# KiCad board TEST_PANEL.kicad_pcb (continued)
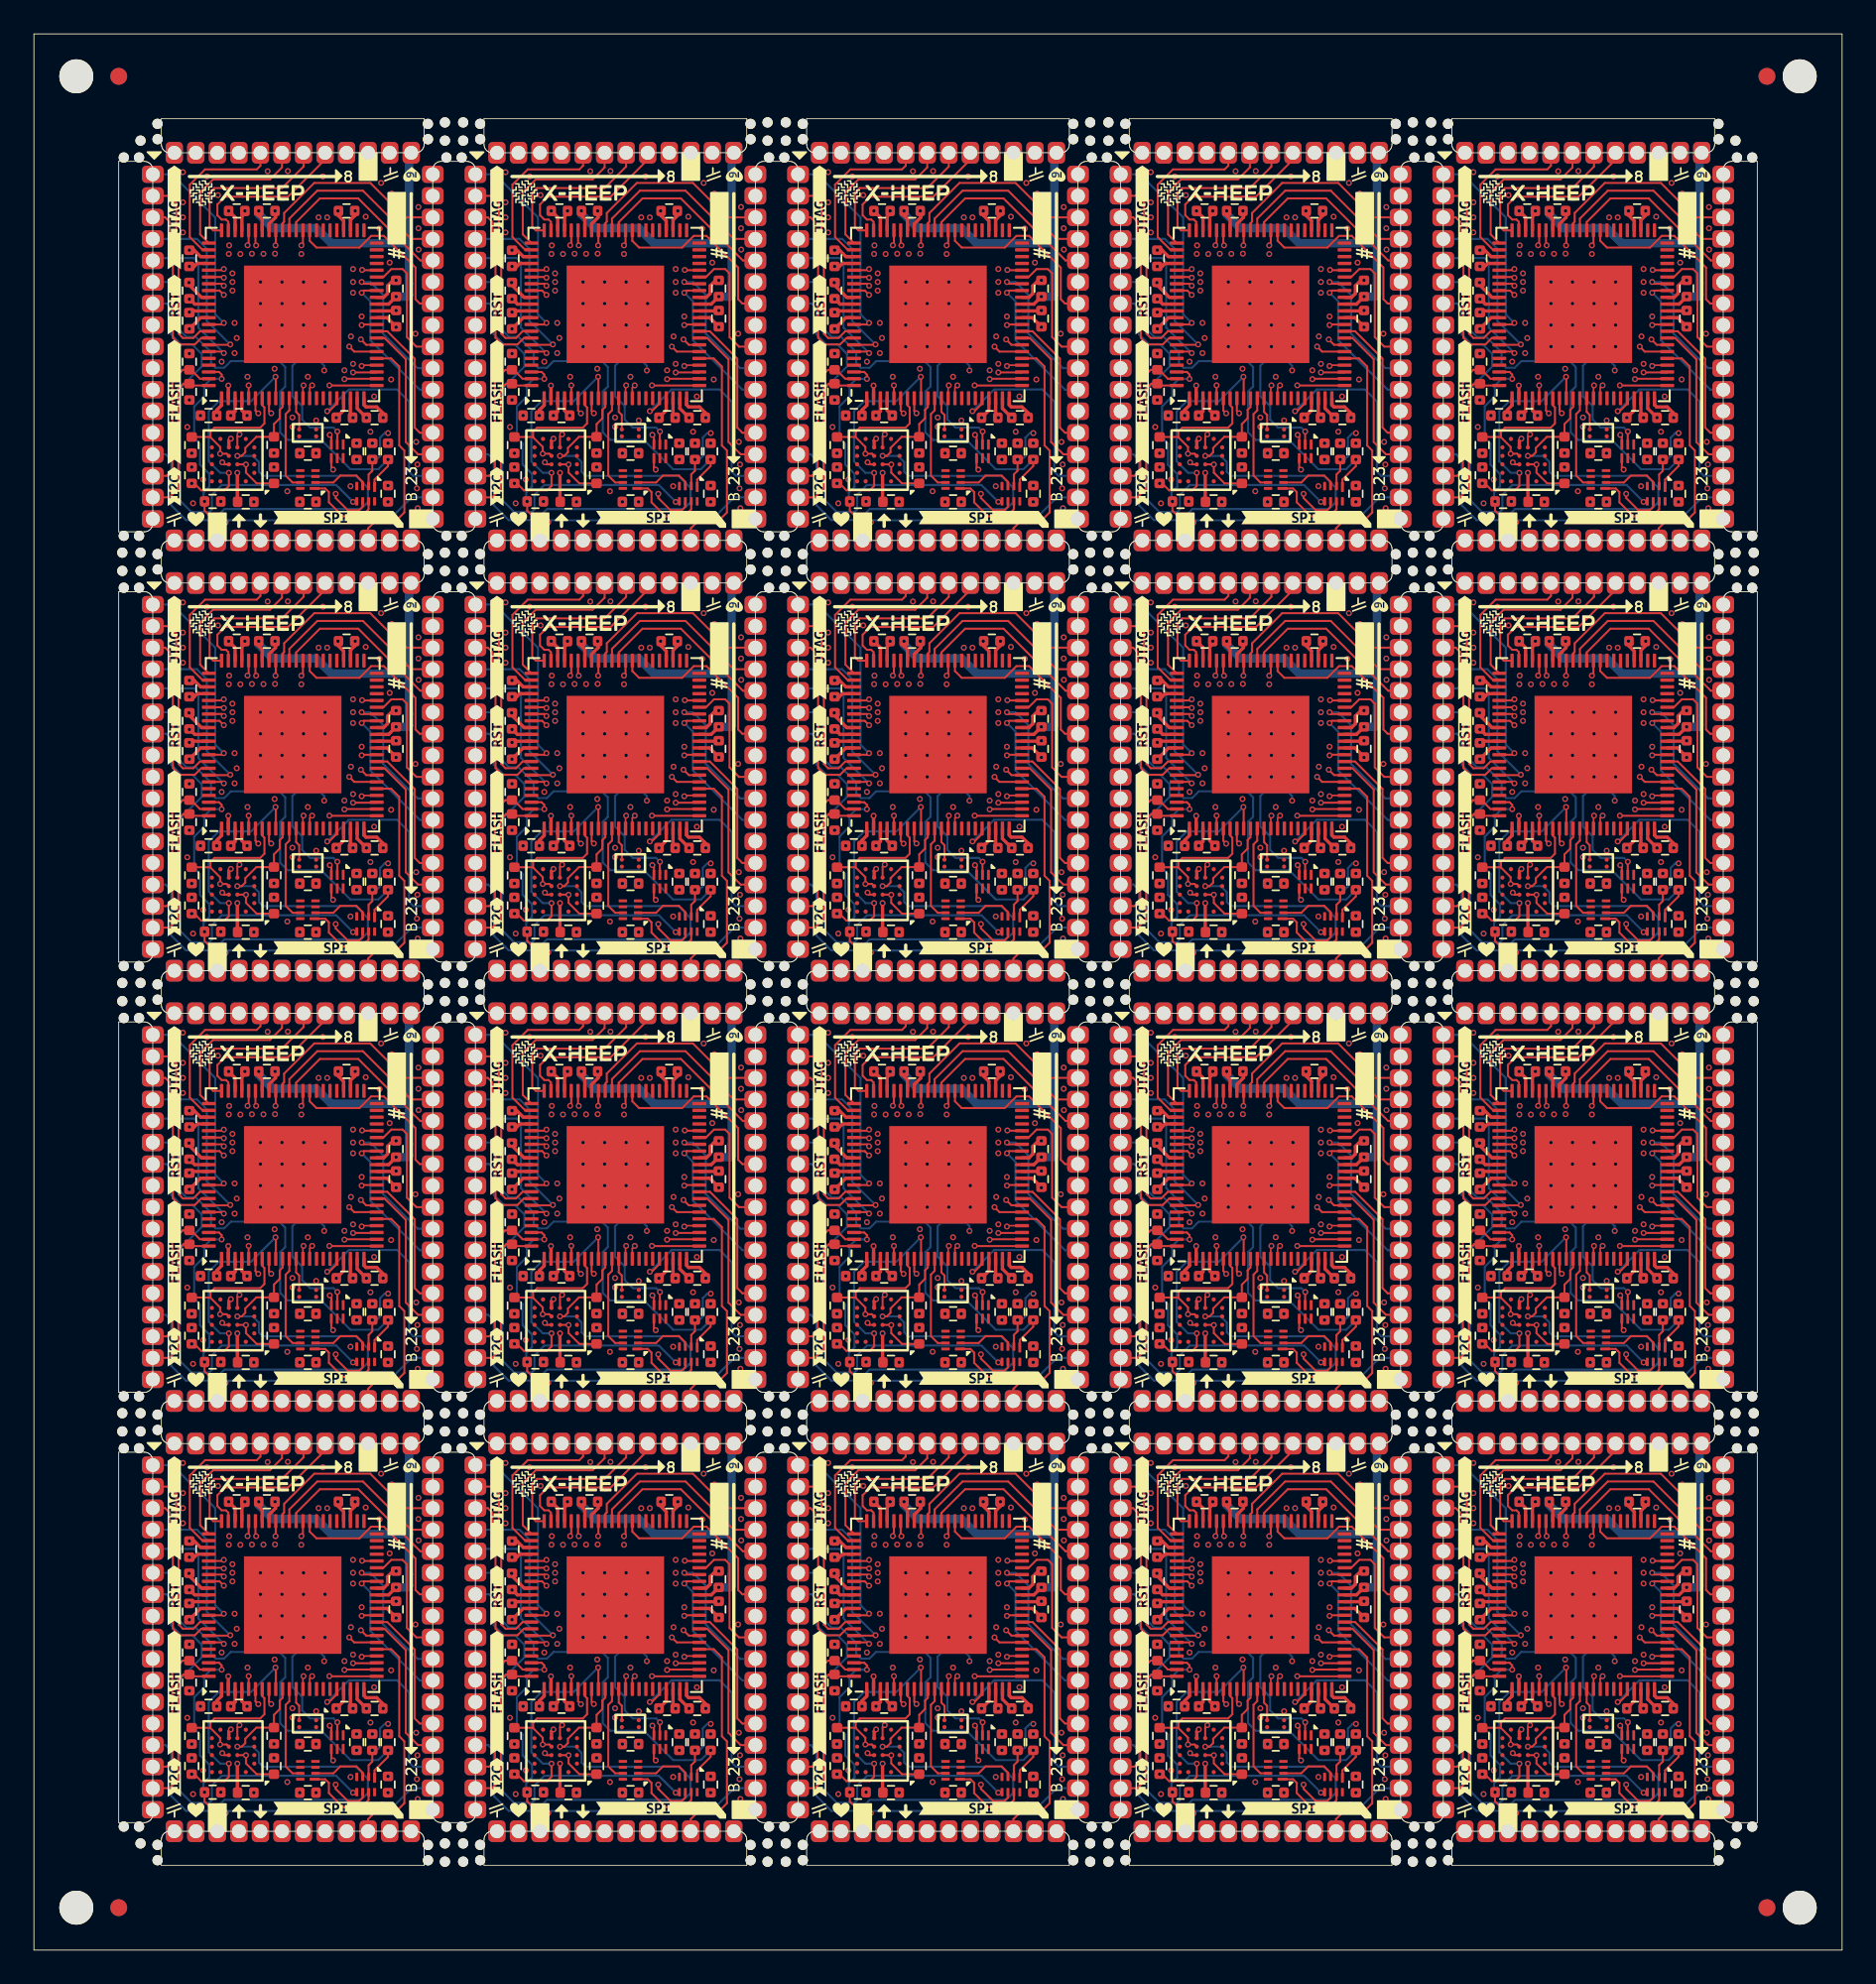
[diagram p0: board, top side]
## Routing (per net, layer and track width the routed paths; a pad name or vN(x,y) marks a point on that pad's centre or on a via; arc(x,y) is an arc through that point) (continued)
Board_15-GPIO_0: length 230.4
  Top w0.12: v1(11.2,46.86) 10.94,47.11 U26.74 ; v1(68.28,21.49) 68.02,21.74 U16.74 ; v1(30.22,21.49) 29.97,21.74 U6.74 ; v1(87.3,21.49) 87.05,21.74 U21.74 ; 10.31,72.48 10.94,72.48 v1(11.2,72.23) ; v1(30.22,97.6) 29.97,97.86 U81.74 ; v1(49.25,46.86) 48.99,47.11 U36.74 ; 48.37,72.48 48.99,72.48 v1(49.25,72.23) ; U31.74 29.97,47.11 v1(30.22,46.86) ; U41.74 68.02,47.11 v1(68.28,46.86) ; U96.74 87.05,97.86 v1(87.3,97.6) ; v1(49.25,21.49) 48.99,21.74 U11.74 ; v1(30.22,72.23) 29.97,72.48 29.34,72.48 ; U76.74 10.94,97.86 v1(11.2,97.6) ; 67.39,72.48 68.02,72.48 v1(68.28,72.23) ; v1(49.25,97.6) 48.99,97.86 U86.74 ; U46.74 87.05,47.11 v1(87.3,46.86) ; 86.42,72.48 87.05,72.48 v1(87.3,72.23) ; U1.74 10.94,21.74 v1(11.2,21.49) ; v1(68.28,97.6) 68.02,97.86 U91.74
  In3.Cu w0.12: v1(30.22,46.86) 29.76,46.86 28.63,47.99 28.1,47.99 27.76,48.33 27.76,49.79 28.19,50.22 28.19,53.04 27.3,53.92 J7.58 ; J13.58 46.33,79.3 47.22,78.41 47.22,75.59 46.79,75.16 46.79,73.7 47.13,73.36 47.66,73.36 48.79,72.23 v1(49.25,72.23) ; J6.58 8.28,53.92 9.16,53.04 9.16,50.22 8.73,49.79 8.73,48.33 9.07,47.99 9.6,47.99 10.74,46.86 v1(11.2,46.86) ; v1(30.22,97.6) 29.76,97.6 28.63,98.73 28.1,98.73 27.76,99.07 27.76,100.53 28.19,100.96 28.19,103.78 27.3,104.67 27.3,105.98 ; 65.36,105.98 65.36,104.67 66.24,103.78 66.24,100.96 65.81,100.53 65.81,99.07 66.15,98.73 66.68,98.73 67.81,97.6 v1(68.28,97.6) ; J11.58 8.28,79.3 9.16,78.41 9.16,75.59 8.73,75.16 8.73,73.7 9.07,73.36 9.6,73.36 10.74,72.23 v1(11.2,72.23) ; J3.58 46.33,28.55 47.22,27.67 47.22,24.85 46.79,24.42 46.79,22.96 47.13,22.62 47.66,22.62 48.79,21.49 v1(49.25,21.49) ; v1(68.28,21.49) 67.81,21.49 66.68,22.62 66.15,22.62 65.81,22.96 65.81,24.42 66.24,24.85 66.24,27.67 65.36,28.55 J4.58 ; 84.38,29.87 84.38,28.55 85.27,27.67 85.27,24.85 84.84,24.42 84.84,22.96 85.18,22.62 85.71,22.62 86.84,21.49 v1(87.3,21.49) ; v1(68.28,72.23) 67.81,72.23 66.68,73.36 66.15,73.36 65.81,73.7 65.81,75.16 66.24,75.59 66.24,78.41 65.36,79.3 J14.58 ; 8.28,105.98 8.28,104.67 9.16,103.78 9.16,100.96 8.73,100.53 8.73,99.07 9.07,98.73 9.6,98.73 10.74,97.6 v1(11.2,97.6) ; v1(87.3,72.23) 86.84,72.23 85.71,73.36 85.18,73.36 84.84,73.7 84.84,75.16 85.27,75.59 85.27,78.41 84.38,79.3 84.38,80.61 ; J1.58 8.28,28.55 9.16,27.67 9.16,24.85 8.73,24.42 8.73,22.96 9.07,22.62 9.6,22.62 10.74,21.49 v1(11.2,21.49) ; v1(87.3,97.6) 86.84,97.6 85.71,98.73 85.18,98.73 84.84,99.07 84.84,100.53 85.27,100.96 85.27,103.78 84.38,104.67 84.38,105.98 ; v1(87.3,46.86) 86.84,46.86 85.71,47.99 85.18,47.99 84.84,48.33 84.84,49.79 85.27,50.22 85.27,53.04 84.38,53.92 84.38,55.24 ; J12.58 27.3,79.3 28.19,78.41 28.19,75.59 27.76,75.16 27.76,73.7 28.1,73.36 28.63,73.36 29.76,72.23 v1(30.22,72.23) ; v1(49.25,46.86) 48.79,46.86 47.66,47.99 47.13,47.99 46.79,48.33 46.79,49.79 47.22,50.22 47.22,53.04 46.33,53.92 J8.58 ; J2.58 27.3,28.55 28.19,27.67 28.19,24.85 27.76,24.42 27.76,22.96 28.1,22.62 28.63,22.62 29.76,21.49 v1(30.22,21.49) ; J9.58 65.36,53.92 66.24,53.04 66.24,50.22 65.81,49.79 65.81,48.33 66.15,47.99 66.68,47.99 67.81,46.86 v1(68.28,46.86) ; 46.33,105.98 46.33,104.67 47.22,103.78 47.22,100.96 46.79,100.53 46.79,99.07 47.13,98.73 47.66,98.73 48.79,97.6 v1(49.25,97.6)
Board_15-GPIO_1: length 193.7
  Top w0.12: U6.73 30.11,22.14 v1(30.22,22.03) ; v1(68.28,98.14) 68.16,98.26 U91.73 ; U31.73 30.11,47.51 v1(30.22,47.4) ; U71.73 87.19,72.88 v1(87.3,72.77) ; v1(11.2,72.77) 11.08,72.88 U51.73 ; v1(68.28,22.03) 68.16,22.14 U16.73 ; U46.73 87.19,47.51 v1(87.3,47.4) ; v1(49.25,98.14) 49.13,98.26 U86.73 ; v1(11.2,22.03) 11.08,22.14 U1.73 ; v1(30.22,72.77) 30.11,72.88 U56.73 ; U36.73 49.13,47.51 v1(49.25,47.4) ; v1(11.2,47.4) 11.08,47.51 U26.73 ; v1(49.25,22.03) 49.13,22.14 U11.73 ; v1(87.3,98.14) 87.19,98.26 U96.73 ; U81.73 30.11,98.26 v1(30.22,98.14) ; U76.73 11.08,98.26 v1(11.2,98.14) ; U66.73 68.16,72.88 v1(68.28,72.77) ; v1(87.3,22.03) 87.19,22.14 U21.73 ; U41.73 68.16,47.51 v1(68.28,47.4) ; U61.73 49.13,72.88 v1(49.25,72.77)
  In3.Cu w0.12: J2.57 28.77,29.67 28.77,23.1 29.84,22.03 v1(30.22,22.03) ; J3.57 47.8,29.67 47.8,23.1 48.87,22.03 v1(49.25,22.03) ; J5.57 85.85,29.67 85.85,23.1 86.92,22.03 v1(87.3,22.03) ; v1(87.3,98.14) 86.92,98.14 85.85,99.21 85.85,105.78 85.65,105.98 ; v1(11.2,22.03) 10.81,22.03 9.74,23.1 9.74,29.67 J1.57 ; J7.57 28.77,55.04 28.77,48.47 29.84,47.4 v1(30.22,47.4) ; 28.57,105.98 28.77,105.78 28.77,99.21 29.84,98.14 v1(30.22,98.14) ; v1(30.22,72.77) 29.84,72.77 28.77,73.84 28.77,80.41 J12.57 ; J10.57 85.85,55.04 85.85,48.47 86.92,47.4 v1(87.3,47.4) ; v1(11.2,72.77) 10.81,72.77 9.74,73.84 9.74,80.41 J11.57 ; v1(49.25,72.77) 48.87,72.77 47.8,73.84 47.8,80.41 J13.57 ; v1(68.28,98.14) 67.89,98.14 66.82,99.21 66.82,105.78 66.63,105.98 ; J4.57 66.82,29.67 66.82,23.1 67.89,22.03 v1(68.28,22.03) ; v1(49.25,47.4) 48.87,47.4 47.8,48.47 47.8,55.04 J8.57 ; v1(49.25,98.14) 48.87,98.14 47.8,99.21 47.8,105.78 47.6,105.98 ; v1(87.3,72.77) 86.92,72.77 85.85,73.84 85.85,80.41 J15.57 ; 9.55,105.98 9.74,105.78 9.74,99.21 10.81,98.14 v1(11.2,98.14) ; J9.57 66.82,55.04 66.82,48.47 67.89,47.4 v1(68.28,47.4) ; v1(68.28,72.77) 67.89,72.77 66.82,73.84 66.82,80.41 J14.57 ; v1(11.2,47.4) 10.81,47.4 9.74,48.47 9.74,55.04 J6.57
Board_15-GPIO_2: length 182
  Top w0.12: U1.72 11.16,22.54 v1(11.2,22.5) ; v1(68.28,47.87) 68.24,47.91 U41.72 ; v1(87.3,47.87) 87.26,47.91 U46.72 ; v1(30.22,22.5) 30.18,22.54 U6.72 ; U66.72 68.24,73.28 v1(68.28,73.24) ; v1(87.3,22.5) 87.26,22.54 U21.72 ; v1(11.2,47.87) 11.16,47.91 U26.72 ; U76.72 11.16,98.66 v1(11.2,98.61) ; U51.72 11.16,73.28 v1(11.2,73.24) ; U11.72 49.21,22.54 v1(49.25,22.5) ; v1(30.22,73.24) 30.18,73.28 U56.72 ; v1(49.25,98.61) 49.21,98.66 U86.72 ; U31.72 30.18,47.91 v1(30.22,47.87) ; v1(49.25,73.24) 49.21,73.28 U61.72 ; v1(87.3,73.24) 87.26,73.28 U71.72 ; v1(68.28,98.61) 68.24,98.66 U91.72 ; v1(68.28,22.5) 68.24,22.54 U16.72 ; U81.72 30.18,98.66 v1(30.22,98.61) ; v1(87.3,98.61) 87.26,98.66 U96.72 ; v1(49.25,47.87) 49.21,47.91 U36.72
  In3.Cu w0.12: 10.82,55.24 10.82,53.59 10.18,52.95 10.18,48.63 10.94,47.87 v1(11.2,47.87) ; v1(49.25,98.61) 49,98.61 48.23,99.38 48.23,103.69 48.87,104.33 48.87,105.98 ; 29.84,105.98 29.84,104.33 29.21,103.69 29.21,99.38 29.97,98.61 v1(30.22,98.61) ; J10.56 86.92,53.59 86.29,52.95 86.29,48.63 87.05,47.87 v1(87.3,47.87) ; J12.56 29.84,78.96 29.21,78.32 29.21,74.01 29.97,73.24 v1(30.22,73.24) ; v1(30.22,47.87) 29.97,47.87 29.21,48.63 29.21,52.95 29.84,53.59 J7.56 ; v1(68.28,73.24) 68.02,73.24 67.26,74.01 67.26,78.32 67.9,78.96 67.9,80.61 ; 67.9,55.24 67.9,53.59 67.26,52.95 67.26,48.63 68.02,47.87 v1(68.28,47.87) ; v1(87.3,73.24) 87.05,73.24 86.29,74.01 86.29,78.32 86.92,78.96 J15.56 ; J2.56 29.84,28.22 29.21,27.58 29.21,23.26 29.97,22.5 v1(30.22,22.5) ; v1(49.25,47.87) 49,47.87 48.23,48.63 48.23,52.95 48.87,53.59 J8.56 ; v1(11.2,98.61) 10.94,98.61 10.18,99.38 10.18,103.69 10.82,104.33 10.82,105.98 ; 67.9,29.87 67.9,28.22 67.26,27.58 67.26,23.26 68.02,22.5 v1(68.28,22.5) ; v1(49.25,73.24) 49,73.24 48.23,74.01 48.23,78.32 48.87,78.96 J13.56 ; 67.9,105.98 67.9,104.33 67.26,103.69 67.26,99.38 68.02,98.61 v1(68.28,98.61) ; 10.82,80.61 10.82,78.96 10.18,78.32 10.18,74.01 10.94,73.24 v1(11.2,73.24) ; 10.82,29.87 10.82,28.22 10.18,27.58 10.18,23.26 10.94,22.5 v1(11.2,22.5) ; 86.92,105.98 86.92,104.33 86.29,103.69 86.29,99.38 87.05,98.61 v1(87.3,98.61) ; v1(87.3,22.5) 87.05,22.5 86.29,23.26 86.29,27.58 86.92,28.22 J5.56 ; v1(49.25,22.5) 49,22.5 48.23,23.26 48.23,27.58 48.87,28.22 J3.56
Board_15-GPIO_3: length 169.1
  Top w0.12: U66.71 68.21,73.68 v1(68.28,73.75) ; U76.71 11.13,99.06 v1(11.2,99.12) ; U26.71 11.13,48.31 v1(11.2,48.38) ; v1(87.3,23.01) 87.24,22.94 U21.71 ; U56.71 30.16,73.68 v1(30.22,73.75) ; U61.71 49.18,73.68 v1(49.25,73.75) ; v1(87.3,99.12) 87.24,99.06 U96.71 ; v1(30.22,48.38) 30.16,48.31 U31.71 ; U16.71 68.21,22.94 v1(68.28,23.01) ; v1(30.22,99.12) 30.16,99.06 U81.71 ; U1.71 11.13,22.94 v1(11.2,23.01) ; v1(49.25,99.12) 49.18,99.06 U86.71 ; v1(68.28,99.12) 68.21,99.06 U91.71 ; U36.71 49.18,48.31 v1(49.25,48.38) ; U41.71 68.21,48.31 v1(68.28,48.38) ; U11.71 49.18,22.94 v1(49.25,23.01) ; v1(30.22,23.01) 30.16,22.94 U6.71 ; U71.71 87.24,73.68 v1(87.3,73.75) ; U51.71 11.13,73.68 v1(11.2,73.75) ; U46.71 87.24,48.31 v1(87.3,48.38)
  In3.Cu w0.12: 31.11,105.98 31.11,104.2 29.84,102.93 29.84,99.5 v1(30.22,99.12) ; v1(49.25,73.75) 48.87,74.13 48.87,77.56 50.14,78.83 J13.55 ; J11.55 12.09,78.83 10.82,77.56 10.82,74.13 v1(11.2,73.75) ; J15.55 88.19,78.83 86.92,77.56 86.92,74.13 v1(87.3,73.75) ; J8.55 50.14,53.46 48.87,52.19 48.87,48.76 v1(49.25,48.38) ; J7.55 31.11,53.46 29.84,52.19 29.84,48.76 v1(30.22,48.38) ; J12.55 31.11,78.83 29.84,77.56 29.84,74.13 v1(30.22,73.75) ; 50.14,105.98 50.14,104.2 48.87,102.93 48.87,99.5 v1(49.25,99.12) ; v1(68.28,73.75) 67.9,74.13 67.9,77.56 69.17,78.83 J14.55 ; v1(11.2,99.12) 10.82,99.5 10.82,102.93 12.09,104.2 12.09,105.98 ; J5.55 88.19,28.09 86.92,26.82 86.92,23.39 v1(87.3,23.01) ; v1(30.22,23.01) 29.84,23.39 29.84,26.82 31.11,28.09 J2.55 ; v1(87.3,99.12) 86.92,99.5 86.92,102.93 88.19,104.2 88.19,105.98 ; v1(87.3,48.38) 86.92,48.76 86.92,52.19 88.19,53.46 J10.55 ; 69.17,105.98 69.17,104.2 67.9,102.93 67.9,99.5 v1(68.28,99.12) ; J1.55 12.09,28.09 10.82,26.82 10.82,23.39 v1(11.2,23.01) ; v1(49.25,23.01) 48.87,23.39 48.87,26.82 50.14,28.09 J3.55 ; v1(68.28,48.38) 67.9,48.76 67.9,52.19 69.17,53.46 J9.55 ; J4.55 69.17,28.09 67.9,26.82 67.9,23.39 v1(68.28,23.01) ; J6.55 12.09,53.46 10.82,52.19 10.82,48.76 v1(11.2,48.38)
Board_15-GPIO_4: length 198.3
  Top w0.12: U36.68 48,49.51 47.24,50.27 47.24,53.36 48.15,54.26 51.19,54.26 51.41,54.48 J8.54 ; U76.68 9.95,100.26 9.19,101.01 9.19,104.1 10.09,105 13.14,105 13.36,105.22 13.36,105.98 ; J15.54 89.46,79.85 89.24,79.63 86.2,79.63 85.3,78.73 85.3,75.64 86.05,74.88 U71.68 ; 32.38,105.98 32.38,105.22 32.17,105 29.12,105 28.22,104.1 28.22,101.01 28.97,100.26 U81.68 ; 51.41,105.98 51.41,105.22 51.19,105 48.15,105 47.24,104.1 47.24,101.01 48,100.26 U86.68 ; U21.68 86.05,24.14 85.3,24.9 85.3,27.99 86.2,28.89 89.24,28.89 89.46,29.11 J5.54 ; U51.68 9.95,74.88 9.19,75.64 9.19,78.73 10.09,79.63 13.14,79.63 13.36,79.85 13.36,80.61 ; U31.68 28.97,49.51 28.22,50.27 28.22,53.36 29.12,54.26 32.17,54.26 32.38,54.48 J7.54 ; 89.46,105.98 89.46,105.22 89.24,105 86.2,105 85.3,104.1 85.3,101.01 86.05,100.26 U96.68 ; J14.54 70.44,79.85 70.22,79.63 67.17,79.63 66.27,78.73 66.27,75.64 67.02,74.88 U66.68 ; U16.68 67.02,24.14 66.27,24.9 66.27,27.99 67.17,28.89 70.22,28.89 70.44,29.11 J4.54 ; J13.54 51.41,79.85 51.19,79.63 48.15,79.63 47.24,78.73 47.24,75.64 48,74.88 U61.68 ; J10.54 89.46,54.48 89.24,54.26 86.2,54.26 85.3,53.36 85.3,50.27 86.05,49.51 U46.68 ; U41.68 67.02,49.51 66.27,50.27 66.27,53.36 67.17,54.26 70.22,54.26 70.44,54.48 J9.54 ; J12.54 32.38,79.85 32.17,79.63 29.12,79.63 28.22,78.73 28.22,75.64 28.97,74.88 U56.68 ; U6.68 28.97,24.14 28.22,24.9 28.22,27.99 29.12,28.89 32.17,28.89 32.38,29.11 J2.54 ; U1.68 9.95,24.14 9.19,24.9 9.19,27.99 10.09,28.89 13.14,28.89 13.36,29.11 13.36,29.87 ; U91.68 67.02,100.26 66.27,101.01 66.27,104.1 67.17,105 70.22,105 70.44,105.22 70.44,105.98 ; 13.36,55.24 13.36,54.48 13.14,54.26 10.09,54.26 9.19,53.36 9.19,50.27 9.95,49.51 U26.68 ; U11.68 48,24.14 47.24,24.9 47.24,27.99 48.15,28.89 51.19,28.89 51.41,29.11 J3.54
Board_15-GPIO_5: length 190
  Top w0.12: J12.53 33.65,79.75 32.94,79.04 29.59,79.04 28.83,78.27 28.83,75.8 U56.67 ; J2.53 33.65,29 32.94,28.29 29.59,28.29 28.83,27.53 28.83,25.05 U6.67 ; J15.53 90.73,79.75 90.02,79.04 86.67,79.04 85.91,78.27 85.91,75.8 U71.67 ; J8.53 52.68,54.38 51.97,53.66 48.62,53.66 47.85,52.9 47.85,50.42 U36.67 ; U46.67 85.91,50.42 85.91,52.9 86.67,53.66 90.02,53.66 90.73,54.38 J10.53 ; 71.71,105.98 71.71,105.12 70.99,104.41 67.64,104.41 66.88,103.64 66.88,101.17 U91.67 ; U51.67 9.8,75.8 9.8,78.27 10.56,79.04 13.92,79.04 14.63,79.75 J11.53 ; J13.53 52.68,79.75 51.97,79.04 48.62,79.04 47.85,78.27 47.85,75.8 U61.67 ; 33.65,105.98 33.65,105.12 32.94,104.41 29.59,104.41 28.83,103.64 28.83,101.17 U81.67 ; U41.67 66.88,50.42 66.88,52.9 67.64,53.66 70.99,53.66 71.71,54.38 J9.53 ; U96.67 85.91,101.17 85.91,103.64 86.67,104.41 90.02,104.41 90.73,105.12 90.73,105.98 ; U31.67 28.83,50.42 28.83,52.9 29.59,53.66 32.94,53.66 33.65,54.38 J7.53 ; U66.67 66.88,75.8 66.88,78.27 67.64,79.04 70.99,79.04 71.71,79.75 J14.53 ; J6.53 14.63,54.38 13.92,53.66 10.56,53.66 9.8,52.9 9.8,50.42 U26.67 ; J3.53 52.68,29 51.97,28.29 48.62,28.29 47.85,27.53 47.85,25.05 U11.67 ; U1.67 9.8,25.05 9.8,27.53 10.56,28.29 13.92,28.29 14.63,29 J1.53 ; J5.53 90.73,29 90.02,28.29 86.67,28.29 85.91,27.53 85.91,25.05 U21.67 ; 14.63,105.98 14.63,105.12 13.92,104.41 10.56,104.41 9.8,103.64 9.8,101.17 U76.67 ; U16.67 66.88,25.05 66.88,27.53 67.64,28.29 70.99,28.29 71.71,29 J4.53 ; U86.67 47.85,101.17 47.85,103.64 48.62,104.41 51.97,104.41 52.68,105.12 52.68,105.98
Board_15-GPIO_6: length 195.7
  Top w0.12: U51.66 10.57,76.03 10.36,76.24 10.36,78.25 10.64,78.53 14.63,78.53 15.9,79.8 J11.52 ; U6.66 29.59,25.29 29.39,25.5 29.39,27.5 29.67,27.79 33.65,27.79 34.92,29.06 34.92,29.87 ; 53.95,105.98 53.95,105.17 52.68,103.9 48.69,103.9 48.41,103.62 48.41,101.61 48.62,101.41 U86.66 ; 92,105.98 92,105.17 90.73,103.9 86.75,103.9 86.46,103.62 86.46,101.61 86.67,101.41 U96.66 ; J4.52 72.98,29.06 71.71,27.79 67.72,27.79 67.44,27.5 67.44,25.5 67.65,25.29 U16.66 ; U36.66 48.62,50.66 48.41,50.87 48.41,52.88 48.69,53.16 52.68,53.16 53.95,54.43 J8.52 ; 34.92,105.98 34.92,105.17 33.65,103.9 29.67,103.9 29.39,103.62 29.39,101.61 29.59,101.41 U81.66 ; U66.66 67.65,76.03 67.44,76.24 67.44,78.25 67.72,78.53 71.71,78.53 72.98,79.8 J14.52 ; U71.66 86.67,76.03 86.46,76.24 86.46,78.25 86.75,78.53 90.73,78.53 92,79.8 92,80.61 ; U46.66 86.67,50.66 86.46,50.87 86.46,52.88 86.75,53.16 90.73,53.16 92,54.43 92,55.24 ; U61.66 48.62,76.03 48.41,76.24 48.41,78.25 48.69,78.53 52.68,78.53 53.95,79.8 J13.52 ; U11.66 48.62,25.29 48.41,25.5 48.41,27.5 48.69,27.79 52.68,27.79 53.95,29.06 J3.52 ; U31.66 29.59,50.66 29.39,50.87 29.39,52.88 29.67,53.16 33.65,53.16 34.92,54.43 34.92,55.24 ; J1.52 15.9,29.06 14.63,27.79 10.64,27.79 10.36,27.5 10.36,25.5 10.57,25.29 U1.66 ; 92,29.87 92,29.06 90.73,27.79 86.75,27.79 86.46,27.5 86.46,25.5 86.67,25.29 U21.66 ; 72.98,105.98 72.98,105.17 71.71,103.9 67.72,103.9 67.44,103.62 67.44,101.61 67.65,101.41 U91.66 ; J6.52 15.9,54.43 14.63,53.16 10.64,53.16 10.36,52.88 10.36,50.87 10.57,50.66 U26.66 ; J9.52 72.98,54.43 71.71,53.16 67.72,53.16 67.44,52.88 67.44,50.87 67.65,50.66 U41.66 ; U76.66 10.57,101.41 10.36,101.61 10.36,103.62 10.64,103.9 14.63,103.9 15.9,105.17 15.9,105.98 ; 34.92,80.61 34.92,79.8 33.65,78.53 29.67,78.53 29.39,78.25 29.39,76.24 29.59,76.03 U56.66
Board_15-GPIO_7: length 195.9
  Top w0.12: J4.51 74.25,29.46 72.06,27.28 68.35,27.28 67.9,26.82 67.9,26.18 68.15,25.93 68.4,25.93 68.54,25.79 U16.65 ; 74.25,105.98 74.25,105.57 72.06,103.39 68.35,103.39 67.9,102.93 67.9,102.3 68.15,102.04 68.4,102.04 68.54,101.91 U91.65 ; J9.51 74.25,54.83 72.06,52.65 68.35,52.65 67.9,52.19 67.9,51.56 68.15,51.3 68.4,51.3 68.54,51.16 U41.65 ; U56.65 30.49,76.54 30.35,76.67 30.1,76.67 29.84,76.93 29.84,77.56 30.3,78.02 34.01,78.02 36.19,80.2 J12.51 ; J14.51 74.25,80.2 72.06,78.02 68.35,78.02 67.9,77.56 67.9,76.93 68.15,76.67 68.4,76.67 68.54,76.54 U66.65 ; U6.65 30.49,25.79 30.35,25.93 30.1,25.93 29.84,26.18 29.84,26.82 30.3,27.28 34.01,27.28 36.19,29.46 J2.51 ; 55.22,105.98 55.22,105.57 53.04,103.39 49.33,103.39 48.87,102.93 48.87,102.3 49.12,102.04 49.38,102.04 49.51,101.91 U86.65 ; U31.65 30.49,51.16 30.35,51.3 30.1,51.3 29.84,51.56 29.84,52.19 30.3,52.65 34.01,52.65 36.19,54.83 J7.51 ; U76.65 11.46,101.91 11.33,102.04 11.07,102.04 10.82,102.3 10.82,102.93 11.28,103.39 14.98,103.39 17.17,105.57 17.17,105.98 ; U96.65 87.57,101.91 87.43,102.04 87.18,102.04 86.92,102.3 86.92,102.93 87.38,103.39 91.09,103.39 93.27,105.57 93.27,105.98 ; U51.65 11.46,76.54 11.33,76.67 11.07,76.67 10.82,76.93 10.82,77.56 11.28,78.02 14.98,78.02 17.17,80.2 J11.51 ; U71.65 87.57,76.54 87.43,76.67 87.18,76.67 86.92,76.93 86.92,77.56 87.38,78.02 91.09,78.02 93.27,80.2 J15.51 ; J5.51 93.27,29.46 91.09,27.28 87.38,27.28 86.92,26.82 86.92,26.18 87.18,25.93 87.43,25.93 87.57,25.79 U21.65 ; J3.51 55.22,29.46 53.04,27.28 49.33,27.28 48.87,26.82 48.87,26.18 49.12,25.93 49.38,25.93 49.51,25.79 U11.65 ; J13.51 55.22,80.2 53.04,78.02 49.33,78.02 48.87,77.56 48.87,76.93 49.12,76.67 49.38,76.67 49.51,76.54 U61.65 ; J6.51 17.17,54.83 14.98,52.65 11.28,52.65 10.82,52.19 10.82,51.56 11.07,51.3 11.33,51.3 11.46,51.16 U26.65 ; U1.65 11.46,25.79 11.33,25.93 11.07,25.93 10.82,26.18 10.82,26.82 11.28,27.28 14.98,27.28 17.17,29.46 J1.51 ; J8.51 55.22,54.83 53.04,52.65 49.33,52.65 48.87,52.19 48.87,51.56 49.12,51.3 49.38,51.3 49.51,51.16 U36.65 ; U46.65 87.57,51.16 87.43,51.3 87.18,51.3 86.92,51.56 86.92,52.19 87.38,52.65 91.09,52.65 93.27,54.83 J10.51 ; U81.65 30.49,101.91 30.35,102.04 30.1,102.04 29.84,102.3 29.84,102.93 30.3,103.39 34.01,103.39 36.19,105.57 36.19,105.98
Board_15-GPIO_8: length 192.3
  Top w0.12: U26.62 12.66,49.85 v1(12.6,49.78) ; v1(12.6,24.41) 12.66,24.48 U1.62 ; v1(88.7,75.16) 88.77,75.22 U71.62 ; v1(50.65,100.53) 50.72,100.59 U86.62 ; v1(12.6,100.53) 12.66,100.59 U76.62 ; v1(88.7,49.78) 88.77,49.85 U46.62 ; U61.62 50.72,75.22 v1(50.65,75.16) ; v1(88.7,100.53) 88.77,100.59 U96.62 ; U31.62 31.69,49.85 v1(31.62,49.78) ; v1(88.7,24.41) 88.77,24.48 U21.62 ; v1(69.68,100.53) 69.74,100.59 U91.62 ; U16.62 69.74,24.48 v1(69.68,24.41) ; v1(31.62,75.16) 31.69,75.22 U56.62 ; v1(50.65,49.78) 50.72,49.85 U36.62 ; v1(50.65,24.41) 50.72,24.48 U11.62 ; U51.62 12.66,75.22 v1(12.6,75.16) ; v1(69.68,75.16) 69.74,75.22 U66.62 ; v1(31.62,24.41) 31.69,24.48 U6.62 ; U41.62 69.74,49.85 v1(69.68,49.78) ; v1(31.62,100.53) 31.69,100.59 U81.62
  In3.Cu w0.12: 75.52,80.61 75.52,80.07 72.12,76.67 70.69,76.67 69.68,75.66 v1(69.68,75.16) ; 75.52,105.98 75.52,105.44 72.12,102.04 70.69,102.04 69.68,101.03 v1(69.68,100.53) ; v1(69.68,49.78) 69.68,50.29 70.69,51.3 72.12,51.3 75.52,54.7 75.52,55.24 ; v1(50.65,100.53) 50.65,101.03 51.66,102.04 53.09,102.04 56.49,105.44 56.49,105.98 ; v1(31.62,49.78) 31.62,50.29 32.64,51.3 34.07,51.3 37.46,54.7 J7.50 ; v1(12.6,49.78) 12.6,50.29 13.61,51.3 15.04,51.3 18.44,54.7 18.44,55.24 ; v1(88.7,24.41) 88.7,24.92 89.72,25.93 91.14,25.93 94.54,29.33 J5.50 ; 18.44,29.87 18.44,29.33 15.04,25.93 13.61,25.93 12.6,24.92 v1(12.6,24.41) ; J2.50 37.46,29.33 34.07,25.93 32.64,25.93 31.62,24.92 v1(31.62,24.41) ; J10.50 94.54,54.7 91.14,51.3 89.72,51.3 88.7,50.29 v1(88.7,49.78) ; v1(50.65,24.41) 50.65,24.92 51.66,25.93 53.09,25.93 56.49,29.33 J3.50 ; 37.46,105.98 37.46,105.44 34.07,102.04 32.64,102.04 31.62,101.03 v1(31.62,100.53) ; v1(88.7,75.16) 88.7,75.66 89.72,76.67 91.14,76.67 94.54,80.07 J15.50 ; v1(12.6,100.53) 12.6,101.03 13.61,102.04 15.04,102.04 18.44,105.44 18.44,105.98 ; 18.44,80.61 18.44,80.07 15.04,76.67 13.61,76.67 12.6,75.66 v1(12.6,75.16) ; v1(31.62,75.16) 31.62,75.66 32.64,76.67 34.07,76.67 37.46,80.07 J12.50 ; 75.52,29.87 75.52,29.33 72.12,25.93 70.69,25.93 69.68,24.92 v1(69.68,24.41) ; J13.50 56.49,80.07 53.09,76.67 51.66,76.67 50.65,75.66 v1(50.65,75.16) ; J8.50 56.49,54.7 53.09,51.3 51.66,51.3 50.65,50.29 v1(50.65,49.78) ; v1(88.7,100.53) 88.7,101.03 89.72,102.04 91.14,102.04 94.54,105.44 94.54,105.98
Board_15-GPIO_9: length 261.1
  Top w0.12: v1(70.18,49.78) 70.14,49.82 U41.61 ; U71.61 89.17,75.19 v1(89.21,75.15) ; U81.61 32.09,100.56 v1(32.13,100.52) ; U46.61 89.17,49.82 v1(89.21,49.78) ; v1(32.13,49.78) 32.09,49.82 U31.61 ; v1(13.1,100.52) 13.06,100.56 U76.61 ; U91.61 70.14,100.56 v1(70.18,100.52) ; U1.61 13.06,24.45 v1(13.1,24.41) ; U36.61 51.12,49.82 v1(51.16,49.78) ; v1(13.1,49.78) 13.06,49.82 U26.61 ; U66.61 70.14,75.19 v1(70.18,75.15) ; U16.61 70.14,24.45 v1(70.18,24.41) ; U21.61 89.17,24.45 v1(89.21,24.41) ; v1(51.16,100.52) 51.12,100.56 U86.61 ; U51.61 13.06,75.19 v1(13.1,75.15) ; U6.61 32.09,24.45 v1(32.13,24.41) ; v1(51.16,24.41) 51.12,24.45 U11.61 ; v1(51.16,75.15) 51.12,75.19 U61.61 ; v1(89.21,100.52) 89.17,100.56 U96.61 ; v1(32.13,75.15) 32.09,75.19 U56.61
  In3.Cu w0.12: J14.46 76.56,79.34 75.07,77.85 74.17,77.85 72.49,76.16 71.2,76.16 v1(70.18,75.15) ; v1(51.16,24.41) 52.17,25.42 53.46,25.42 55.15,27.11 56.05,27.11 57.54,28.6 J3.46 ; v1(32.13,49.78) 33.15,50.79 34.44,50.79 36.12,52.48 37.02,52.48 38.51,53.97 J7.46 ; v1(32.13,100.52) 33.15,101.54 34.44,101.54 36.12,103.22 37.02,103.22 38.51,104.71 J17.46 ; J4.46 76.56,28.6 75.07,27.11 74.17,27.11 72.49,25.42 71.2,25.42 v1(70.18,24.41) ; v1(70.18,49.78) 71.2,50.79 72.49,50.79 74.17,52.48 75.07,52.48 76.56,53.97 J9.46 ; 23.52,53.97 19.48,53.97 17.99,52.48 17.09,52.48 15.41,50.79 14.12,50.79 v1(13.1,49.78) ; J12.46 38.51,79.34 37.02,77.85 36.12,77.85 34.44,76.16 33.15,76.16 v1(32.13,75.15) ; J15.46 95.59,79.34 94.1,77.85 93.2,77.85 91.51,76.16 90.22,76.16 v1(89.21,75.15) ; v1(70.18,100.52) 71.2,101.54 72.49,101.54 74.17,103.22 75.07,103.22 76.56,104.71 J19.46 ; v1(89.21,49.78) 90.22,50.79 91.51,50.79 93.2,52.48 94.1,52.48 95.59,53.97 J10.46 ; J8.46 57.54,53.97 56.05,52.48 55.15,52.48 53.46,50.79 52.17,50.79 v1(51.16,49.78) ; 23.52,79.34 19.48,79.34 17.99,77.85 17.09,77.85 15.41,76.16 14.12,76.16 v1(13.1,75.15) ; v1(13.1,24.41) 14.12,25.42 15.41,25.42 17.09,27.11 17.99,27.11 19.48,28.6 23.52,28.6 ; J2.46 38.51,28.6 37.02,27.11 36.12,27.11 34.44,25.42 33.15,25.42 v1(32.13,24.41) ; v1(51.16,75.15) 52.17,76.16 53.46,76.16 55.15,77.85 56.05,77.85 57.54,79.34 J13.46 ; J5.46 95.59,28.6 94.1,27.11 93.2,27.11 91.51,25.42 90.22,25.42 v1(89.21,24.41) ; v1(51.16,100.52) 52.17,101.54 53.46,101.54 55.15,103.22 56.05,103.22 57.54,104.71 J18.46 ; v1(89.21,100.52) 90.22,101.54 91.51,101.54 93.2,103.22 94.1,103.22 95.59,104.71 J20.46 ; v1(13.1,100.52) 14.12,101.54 15.41,101.54 17.09,103.22 17.99,103.22 19.48,104.71 23.52,104.71
Board_15-GPIO_10: length 227.5
  Top w0.12: v1(14.25,49.78) 14.26,49.79 U26.58 ; U31.58 33.29,49.79 v1(33.27,49.78) ; U36.58 52.31,49.79 v1(52.3,49.78) ; U21.58 90.37,24.42 v1(90.35,24.41) ; v1(90.35,49.78) 90.37,49.79 U46.58 ; U1.58 14.26,24.42 v1(14.25,24.41) ; U96.58 90.37,100.54 v1(90.35,100.52) ; U56.58 33.29,75.16 v1(33.27,75.15) ; U16.58 71.34,24.42 v1(71.32,24.41) ; v1(71.32,49.78) 71.34,49.79 U41.58 ; U91.58 71.34,100.54 v1(71.32,100.52) ; v1(71.32,75.15) 71.34,75.16 U66.58 ; v1(52.3,75.15) 52.31,75.16 U61.58 ; U6.58 33.29,24.42 v1(33.27,24.41) ; v1(52.3,24.41) 52.31,24.42 U11.58 ; U76.58 14.26,100.54 v1(14.25,100.52) ; U86.58 52.31,100.54 v1(52.3,100.52) ; v1(14.25,75.15) 14.26,75.16 U51.58 ; U81.58 33.29,100.54 v1(33.27,100.52) ; U71.58 90.37,75.16 v1(90.35,75.15)
  In3.Cu w0.12: J18.45 59.66,103.44 57.25,101.03 52.81,101.03 v1(52.3,100.52) ; v1(71.32,24.41) 71.83,24.91 76.28,24.91 78.69,27.33 J4.45 ; J9.45 78.69,52.7 76.28,50.29 71.83,50.29 v1(71.32,49.78) ; J20.45 97.72,103.44 95.3,101.03 90.86,101.03 v1(90.35,100.52) ; J15.45 97.72,78.07 95.3,75.66 90.86,75.66 v1(90.35,75.15) ; J12.45 40.64,78.07 38.23,75.66 33.78,75.66 v1(33.27,75.15) ; v1(33.27,24.41) 33.78,24.91 38.23,24.91 40.64,27.33 J2.45 ; J10.45 97.72,52.7 95.3,50.29 90.86,50.29 v1(90.35,49.78) ; v1(71.32,75.15) 71.83,75.66 76.28,75.66 78.69,78.07 J14.45 ; v1(33.27,100.52) 33.78,101.03 38.23,101.03 40.64,103.44 J17.45 ; J8.45 59.66,52.7 57.25,50.29 52.81,50.29 v1(52.3,49.78) ; J3.45 59.66,27.33 57.25,24.91 52.81,24.91 v1(52.3,24.41) ; 23.52,52.7 21.61,52.7 19.2,50.29 14.75,50.29 v1(14.25,49.78) ; v1(33.27,49.78) 33.78,50.29 38.23,50.29 40.64,52.7 J7.45 ; J13.45 59.66,78.07 57.25,75.66 52.81,75.66 v1(52.3,75.15) ; J19.45 78.69,103.44 76.28,101.03 71.83,101.03 v1(71.32,100.52) ; v1(14.25,100.52) 14.75,101.03 19.2,101.03 21.61,103.44 23.52,103.44 ; J5.45 97.72,27.33 95.3,24.91 90.86,24.91 v1(90.35,24.41) ; v1(14.25,75.15) 14.75,75.66 19.2,75.66 21.61,78.07 23.52,78.07 ; v1(14.25,24.41) 14.75,24.91 19.2,24.91 21.61,27.33 23.52,27.33
Board_15-GPIO_11: length 228
  Top w0.12: J4.44 78.94,26.06 76.91,28.09 73.61,28.09 71.83,26.31 71.83,25.8 71.74,25.71 U16.57 ; U81.57 33.69,101.82 33.78,101.92 33.78,102.42 35.56,104.2 38.86,104.2 40.89,102.17 J17.44 ; J3.44 59.92,26.06 57.89,28.09 54.59,28.09 52.81,26.31 52.81,25.8 52.72,25.71 U11.57 ; U51.57 14.66,76.45 14.75,76.55 14.75,77.05 16.53,78.83 19.83,78.83 21.87,76.8 23.52,76.8 ; U36.57 52.72,51.08 52.81,51.17 52.81,51.68 54.59,53.46 57.89,53.46 59.92,51.43 J8.44 ; J9.44 78.94,51.43 76.91,53.46 73.61,53.46 71.83,51.68 71.83,51.17 71.74,51.08 U41.57 ; U21.57 90.77,25.71 90.86,25.8 90.86,26.31 92.64,28.09 95.94,28.09 97.97,26.06 J5.44 ; U76.57 14.66,101.82 14.75,101.92 14.75,102.42 16.53,104.2 19.83,104.2 21.87,102.17 23.52,102.17 ; U31.57 33.69,51.08 33.78,51.17 33.78,51.68 35.56,53.46 38.86,53.46 40.89,51.43 J7.44 ; J19.44 78.94,102.17 76.91,104.2 73.61,104.2 71.83,102.42 71.83,101.92 71.74,101.82 U91.57 ; U46.57 90.77,51.08 90.86,51.17 90.86,51.68 92.64,53.46 95.94,53.46 97.97,51.43 J10.44 ; U71.57 90.77,76.45 90.86,76.55 90.86,77.05 92.64,78.83 95.94,78.83 97.97,76.8 J15.44 ; J12.44 40.89,76.8 38.86,78.83 35.56,78.83 33.78,77.05 33.78,76.55 33.69,76.45 U56.57 ; U1.57 14.66,25.71 14.75,25.8 14.75,26.31 16.53,28.09 19.83,28.09 21.87,26.06 23.52,26.06 ; U6.57 33.69,25.71 33.78,25.8 33.78,26.31 35.56,28.09 38.86,28.09 40.89,26.06 J2.44 ; U96.57 90.77,101.82 90.86,101.92 90.86,102.42 92.64,104.2 95.94,104.2 97.97,102.17 J20.44 ; U61.57 52.72,76.45 52.81,76.55 52.81,77.05 54.59,78.83 57.89,78.83 59.92,76.8 J13.44 ; 23.52,51.43 21.87,51.43 19.83,53.46 16.53,53.46 14.75,51.68 14.75,51.17 14.66,51.08 U26.57 ; J18.44 59.92,102.17 57.89,104.2 54.59,104.2 52.81,102.42 52.81,101.92 52.72,101.82 U86.57 ; J14.44 78.94,76.8 76.91,78.83 73.61,78.83 71.83,77.05 71.83,76.55 71.74,76.45 U66.57